# KiCad board eurovISOn REV.kicad_pcb
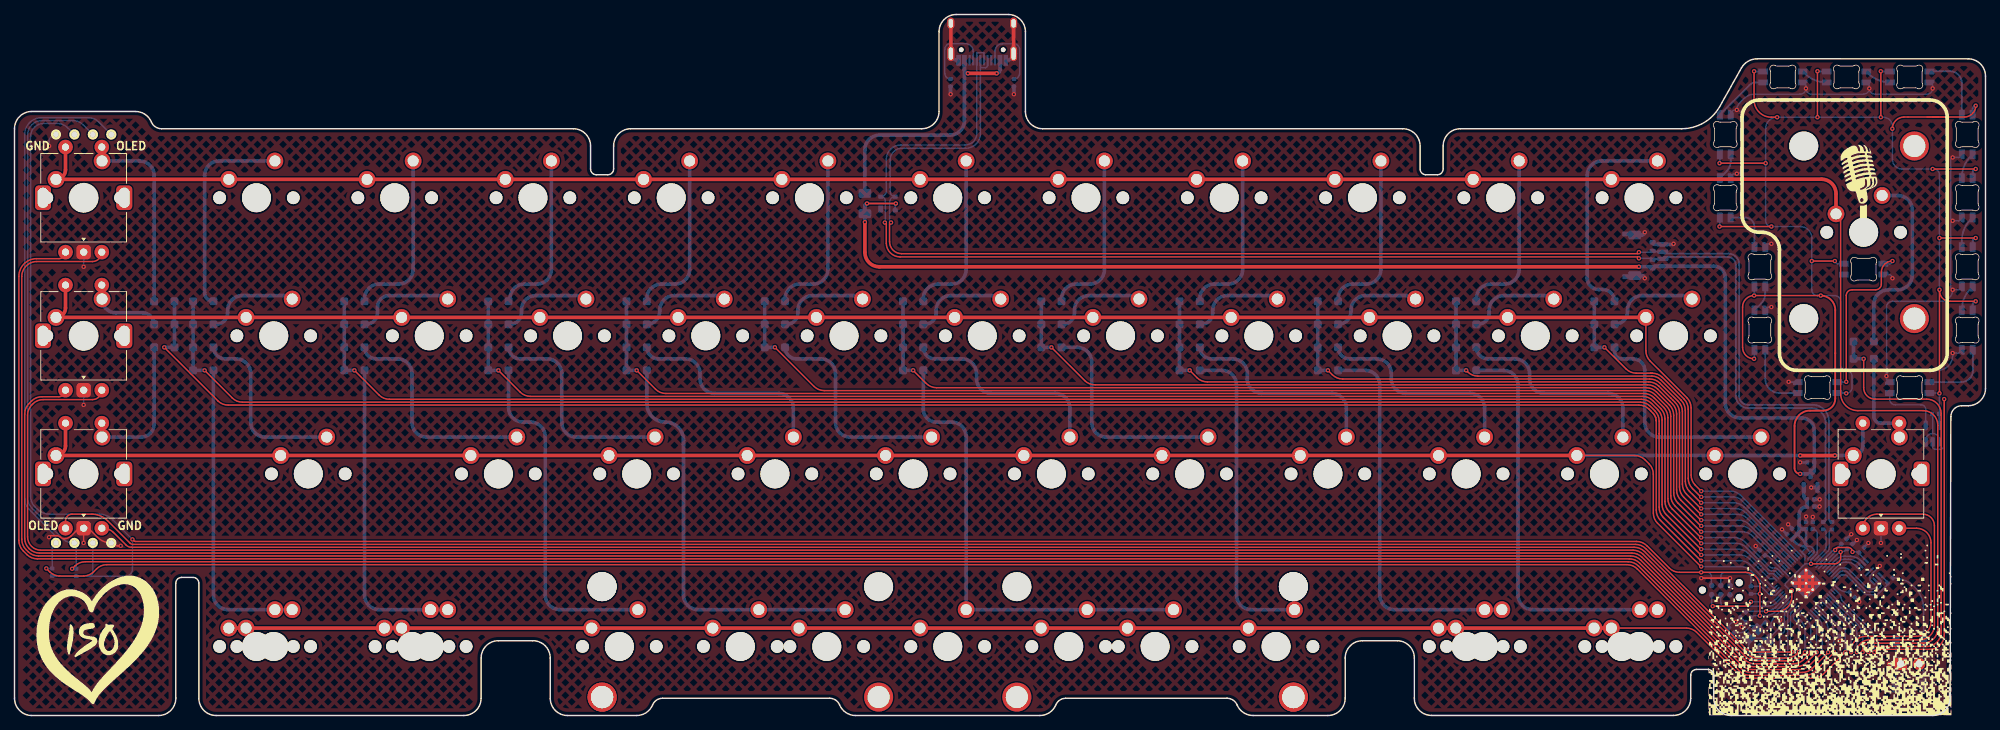
[diagram p0: board, top side]
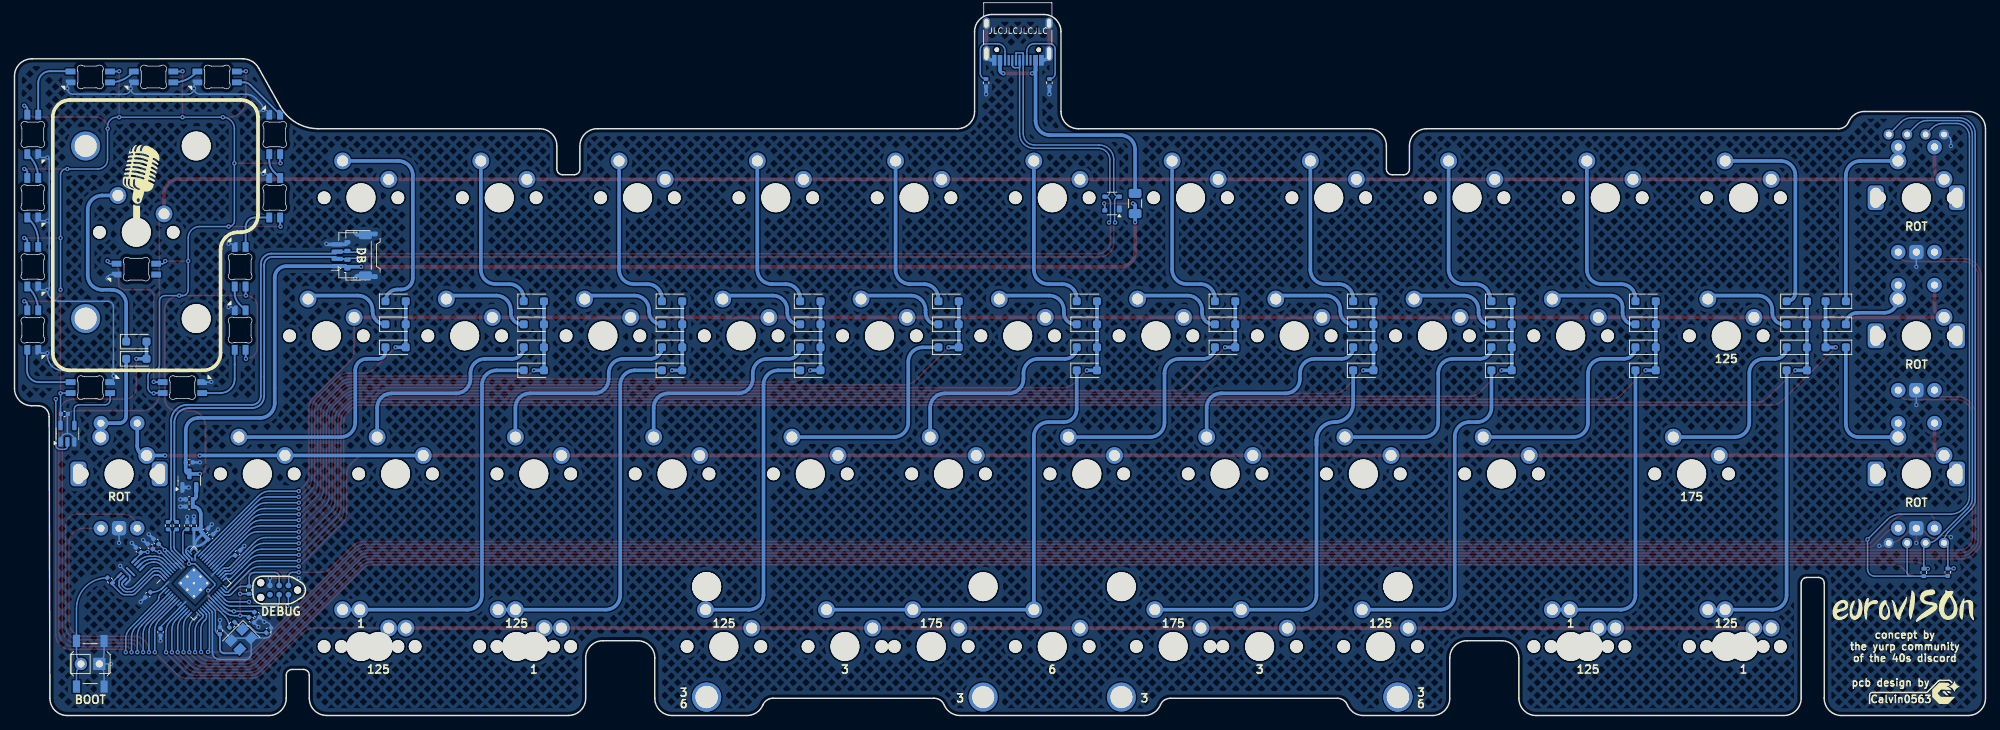
[diagram p1: board, bottom side, seen from below]

Outline 271.58 x 96.72 mm; copper layers: Top, Bottom. Coordinates in mm from the lower left corner of the outline.
Outline path: 0,80.96 0,2.38 arc(0.7,0.7) 2.38,0 19.84,0 arc(21.53,0.7) 22.22,2.38 22.22,18.26 arc(22.46,18.82) 23.02,19.05 24.61,19.05 arc(25.17,18.82) 25.4,18.26 25.4,2.38 arc(26.1,0.7) 27.78,0 61.91,0 arc(63.6,0.7) 64.29,2.38 64.29,7.94 arc(64.99,9.62) 66.67,10.32 71.44,10.32 arc(73.12,9.62) 73.82,7.94 73.82,2.38 arc(74.52,0.7) 76.2,0 85.72,0 arc(87.04,0.4) 87.92,1.46 arc(88.47,2.13) 89.3,2.38 112.31,2.38 arc(113.14,2.13) 113.69,1.46 arc(114.57,0.4) 115.89,0 141.29,0 arc(142.61,0.4) 143.48,1.46 arc(144.04,2.13) 144.87,2.38 167.08,2.38 arc(167.91,2.13) 168.46,1.46 arc(169.34,0.4) 170.66,0 180.98,0 arc(182.66,0.7) 183.36,2.38 183.36,7.94 arc(184.05,9.62) 185.74,10.32 190.5,10.32 arc(192.18,9.62) 192.88,7.94 192.88,2.38 arc(193.58,0.7) 195.26,0.01 228.58,0.01 arc(230.27,0.7) 230.97,2.39 230.97,5.56 arc(231.2,6.12) 231.76,6.36 233.35,6.36 arc(233.91,6.12) 234.14,5.56 234.14,2.39 arc(234.84,0.7) 236.55,0 264.32,0 arc(266,0.7) 266.71,2.38 266.81,41.25 arc(267.25,42.31) 268.31,42.74 269.2,42.74 arc(270.88,43.44) 271.58,45.12 271.58,88.22 arc(270.88,89.91) 269.2,90.61 240.12,90.61 arc(238.86,90.27) 237.94,89.33 234.97,84.03 arc(232.76,81.79) 229.73,80.96 199.23,80.96 arc(197.55,80.27) 196.85,78.58 196.85,75.41 arc(196.62,74.84) 196.06,74.61 194.47,74.61 arc(193.91,74.84) 193.68,75.41 193.68,78.58 arc(192.98,80.27) 191.29,80.96 141.68,80.96 arc(139.99,81.66) 139.29,83.35 139.29,94.34 arc(138.6,96.03) 136.91,96.72 129.77,96.72 arc(128.09,96.03) 127.39,94.34 127.39,83.34 arc(126.69,81.66) 125.01,80.96 84.93,80.96 arc(83.25,80.27) 82.55,78.58 82.55,75.41 arc(82.32,74.84) 81.76,74.61 80.17,74.61 arc(79.61,74.84) 79.38,75.41 79.38,78.58 arc(78.68,80.27) 76.99,80.96 20.25,80.96 arc(19.42,81.21) 18.86,81.88 arc(17.99,82.95) 16.67,83.34 2.38,83.34 arc(0.7,82.65) 0,80.96

## Placement (name value [footprint] x y rotation side)
C1  100nF  [C_0402_1005Metric]  264.69 41.61 0 bottom
C2  22pF  [C_0402_1005Metric]  243.28 11.7 270 bottom
C3  22pF  [C_0402_1005Metric]  236.56 11.77 315 bottom
C4  1uF  [C_0402_1005Metric]  247.78 26.19 90 bottom
C5  100nF  [C_0402_1005Metric]  252.87 23.32 45 bottom
C6  100nF  [C_0402_1005Metric]  238.18 13.91 225 bottom
C7  10uF  [C_0402_1005Metric]  247.49 29.83 0 bottom
C8  1uF  [C_0402_1005Metric]  246.86 26.19 90 bottom
C9  100nF  [C_0402_1005Metric]  245.28 25.43 135 bottom
C10  100nF  [C_0402_1005Metric]  244.57 24.67 135 bottom
C11  100nF  [C_0402_1005Metric]  251.46 11.51 270 bottom
C12  100nF  [C_0402_1005Metric]  240.84 22.44 135 bottom
C13  100nF  [C_0402_1005Metric]  253.21 16.67 315 bottom
C14  100nF  [C_0402_1005Metric]  238.92 13.2 225 bottom
C15  100nF  [C_0402_1005Metric]  252.07 24.01 45 bottom
C16  1uF  [C_0402_1005Metric]  247.51 34.92 0 bottom
C17  1uF  [C_0402_1005Metric]  247.49 28.83 180 bottom
C18  100n  [C_0402_1005Metric]  254.51 22.83 45 bottom
D1  D_Small  [D_SOD-123F]  20.64 57.15 0 bottom
D2  D_Small  [D_SOD-123F]  26.01 57.15 180 bottom
D3  D_Small  [D_SOD-123F]  46.83 57.15 180 bottom
D4  D_Small  [D_SOD-123F]  66.67 57.15 180 bottom
D5  D_Small  [D_SOD-123F]  85.72 57.15 180 bottom
D6  D_Small  [D_SOD-123F]  104.77 57.15 180 bottom
D7  D_Small  [D_SOD-123F]  123.83 57.15 180 bottom
D8  D_Small  [D_SOD-123F]  142.88 57.15 180 bottom
D9  D_Small  [D_SOD-123F]  161.93 57.15 180 bottom
D10  D_Small  [D_SOD-123F]  180.98 57.15 180 bottom
D11  D_Small  [D_SOD-123F]  200.03 57.15 180 bottom
D12  D_Small  [D_SOD-123F]  219.08 57.15 180 bottom
D13  D_Small  [D_SOD-123F]  254.79 51.6 180 bottom
D14  D_Small  [D_SOD-123F]  20.64 53.98 0 bottom
D15  D_Small  [D_SOD-123F]  26.01 53.98 180 bottom
D16  D_Small  [D_SOD-123F]  46.83 53.98 180 bottom
D17  D_Small  [D_SOD-123F]  66.67 53.98 180 bottom
D18  D_Small  [D_SOD-123F]  85.72 53.98 180 bottom
D19  D_Small  [D_SOD-123F]  104.77 53.98 180 bottom
D20  D_Small  [D_SOD-123F]  123.83 53.98 180 bottom
D21  D_Small  [D_SOD-123F]  142.88 53.98 180 bottom
D22  D_Small  [D_SOD-123F]  161.93 53.98 180 bottom
D23  D_Small  [D_SOD-123F]  180.98 53.98 180 bottom
D24  D_Small  [D_SOD-123F]  200.03 53.98 180 bottom
D25  D_Small  [D_SOD-123F]  219.08 53.98 180 bottom
D26  D_Small  [D_SOD-123F]  20.64 50.8 0 bottom
D27  D_Small  [D_SOD-123F]  26.01 50.8 180 bottom
D28  D_Small  [D_SOD-123F]  46.83 50.8 180 bottom
D29  D_Small  [D_SOD-123F]  66.67 50.8 180 bottom
D30  D_Small  [D_SOD-123F]  85.72 50.8 180 bottom
D31  D_Small  [D_SOD-123F]  104.77 50.8 180 bottom
D32  D_Small  [D_SOD-123F]  123.83 50.8 180 bottom
D33  D_Small  [D_SOD-123F]  142.88 50.8 180 bottom
D34  D_Small  [D_SOD-123F]  161.93 50.8 180 bottom
D35  D_Small  [D_SOD-123F]  180.98 50.8 180 bottom
D36  D_Small  [D_SOD-123F]  200.03 50.8 180 bottom
D37  D_Small  [D_SOD-123F]  219.08 50.8 180 bottom
D38  D_Small  [D_SOD-123F]  254.79 49.22 180 bottom
D39  D_Small  [D_SOD-123F]  26.01 47.62 180 bottom
D40  D_Small  [D_SOD-123F]  46.83 47.62 180 bottom
D41  D_Small  [D_SOD-123F]  66.67 47.62 180 bottom
D42  D_Small  [D_SOD-123F]  85.72 47.62 180 bottom
D43  D_Small  [D_SOD-123F]  123.83 47.62 180 bottom
D44  D_Small  [D_SOD-123F]  161.93 47.62 180 bottom
D45  D_Small  [D_SOD-123F]  180.98 47.62 180 bottom
D46  D_Small  [D_SOD-123F]  200.03 47.62 180 bottom
F1  500mA  [Fuse_1206_3216Metric]  117.17 70.65 270 bottom
G***  -  [LOGO]  254.15 74.61 0 top
G***#2  -  [LOGO]  250.15 22.55 90 top
G***#3  -  [LOGO]  11.11 10.32 0 top
G***#4  -  [LOGO]  11.46 10.3 0 top
G***#5  -  [LOGO]  5.64 3.17 180 bottom
G***#6  -  [LOGO]  11.11 15.08 180 bottom
G***#7  -  [LOGO]  254.15 74.61 180 bottom
IC1  W25Q16JVUXIQ  [SON50P300X200X60-9N]  255.59 19.84 135 bottom
J1  USB_C_Receptacle_USB2.0  [USB_C_Receptacle_HRO_TYPE-C-31-M-12]  133.34 94.46 0 bottom
J2  JST SH  [JST_SH_SM04B-SRSS-TB_1x04-1MP_P1.00mm_Horizontal]  225.11 63.5 90 bottom
J3  Pico EZmate  [Molex_Pico-EZmate_78171-0004_1x04-1MP_P1.20mm_Vertical]  223.84 63.5 90 bottom
J5  TC2030_SWD  [CON_TC2030_outlined]  235.11 17.3 0 bottom  (not fitted)
LED1  SK6812MINI-E  [LED_6028R]  261.13 45.25 0 bottom
LED2  SK6812MINI-E  [LED_6028R]  269.06 53.18 90 bottom
LED3  SK6812MINI-E  [LED_6028R]  269.06 61.92 90 bottom
LED4  SK6812MINI-E  [LED_6028R]  261.14 88.11 180 bottom
LED5  SK6812MINI-E  [LED_6028R]  252.43 88.11 180 bottom
LED6  SK6812MINI-E  [LED_6028R]  235.73 80.17 270 bottom
LED7  SK6812MINI-E  [LED_6028R]  235.73 71.44 270 bottom
LED8  SK6812MINI-E  [LED_6028R]  240.49 61.92 270 bottom
LED9  SK6812MINI-E  [LED_6028R]  248.44 45.25 0 bottom
LED10  MX_SK6812MINI-E  [LED_MX_6028R]  254.79 61.59 180 bottom
LED11  SK6812MINI-E  [LED_6028R]  269.06 71.44 90 bottom
LED12  SK6812MINI-E  [LED_6028R]  269.06 80.17 90 bottom
LED13  SK6812MINI-E  [LED_6028R]  240.49 53.18 270 bottom
LED14  SK6812MINI-E  [LED_6028R]  243.67 88.11 180 bottom
MX1  MX_SW_HS  [SW_MX_1u]  9.53 71.44 0 top
MX2  MX_SW_HS  [SW_MX_1u]  33.34 71.44 0 top
MX3  MX_SW_HS  [SW_MX_1u]  52.39 71.44 0 top
MX4  MX_SW_HS  [SW_MX_1u]  71.44 71.44 0 top
MX5  MX_SW_HS  [SW_MX_1u]  90.49 71.44 0 top
MX6  MX_SW_HS  [SW_MX_1u]  109.54 71.44 0 top
MX7  MX_SW_HS  [SW_MX_1u]  128.59 71.44 0 top
MX8  MX_SW_HS  [SW_MX_1u]  147.64 71.44 0 top
MX9  MX_SW_HS  [SW_MX_1u]  166.69 71.44 0 top
MX10  MX_SW_HS  [SW_MX_1u]  185.74 71.44 0 top
MX11  MX_SW_HS  [SW_MX_1u]  204.79 71.44 0 top
MX12  MX_SW_HS  [SW_MX_1u]  223.84 71.44 0 top
MX13  MX_SW_HS  [SW_MX_1u]  254.79 66.67 0 top
MX14  MX_SW_HS  [SW_MX_1u]  9.53 52.39 0 top
MX15  MX_SW_HS  [SW_MX_1.25u]  35.72 52.39 0 top
MX16  MX_SW_HS  [SW_MX_1u]  57.15 52.39 0 top
MX17  MX_SW_HS  [SW_MX_1u]  76.2 52.39 0 top
MX18  MX_SW_HS  [SW_MX_1u]  95.25 52.39 0 top
MX19  MX_SW_HS  [SW_MX_1u]  114.3 52.39 0 top
MX20  MX_SW_HS  [SW_MX_1u]  133.35 52.39 0 top
MX21  MX_SW_HS  [SW_MX_1u]  152.4 52.39 0 top
MX22  MX_SW_HS  [SW_MX_1u]  171.45 52.39 0 top
MX23  MX_SW_HS  [SW_MX_1u]  190.5 52.39 0 top
MX24  MX_SW_HS  [SW_MX_1u]  209.55 52.39 0 top
MX25  MX_SW_HS  [SW_MX_1u]  228.6 52.39 0 top
MX26  MX_SW_HS  [SW_MX_1u]  9.53 33.34 0 top
MX27  MX_SW_HS  [SW_MX_1.75u]  40.48 33.34 0 top
MX28  MX_SW_HS  [SW_MX_1u]  66.67 33.34 0 top
MX29  MX_SW_HS  [SW_MX_1u]  85.72 33.34 0 top
MX30  MX_SW_HS  [SW_MX_1u]  104.77 33.34 0 top
MX31  MX_SW_HS  [SW_MX_1u]  123.83 33.34 0 top
MX32  MX_SW_HS  [SW_MX_1u]  142.88 33.34 0 top
MX33  MX_SW_HS  [SW_MX_1u]  161.93 33.34 0 top
MX34  MX_SW_HS  [SW_MX_1u]  180.98 33.34 0 top
MX35  MX_SW_HS  [SW_MX_1u]  200.03 33.34 0 top
MX36  MX_SW_HS  [SW_MX_1u]  219.08 33.34 0 top
MX37  MX_SW_HS  [SW_MX_1u]  238.12 33.34 0 top
MX38  MX_SW_HS  [SW_MX_1u]  257.18 33.34 0 top
MX39  MX_SW_HS  [SW_MX_1.25u]  35.72 9.53 0 top
MX40  MX_SW_HS  [SW_MX_1u]  57.15 9.53 0 top
MX41  MX_SW_HS  [SW_MX_1.25u]  83.34 9.53 0 top
MX42  MX_SW_HS  [SW_MX_1.75u]  111.92 9.53 0 top
MX43  MX_SW_HS  [SW_MX_1.75u]  145.26 9.53 0 top
MX44  MX_SW_HS  [SW_MX_1.25u]  173.83 9.53 0 top
MX45  MX_SW_HS  [SW_MX_1.25u]  202.41 9.53 0 top
MX46  MX_SW_HS  [SW_MX_1u]  223.84 9.53 0 top
MX47  MX_SW_HS  [SW_MX_1u]  33.34 9.53 0 top
MX48  MX_SW_HS  [SW_MX_1.25u]  54.77 9.53 0 top
MX49  MX_SW_HS  [SW_MX_1u]  100.01 9.53 0 top
MX50  MX_SW_HS  [SW_MX_1u]  128.59 9.53 0 top
MX51  MX_SW_HS  [SW_MX_1u]  200.03 9.53 0 top
MX52  MX_SW_HS  [SW_MX_1.25u]  221.46 9.53 0 top
MX53  MX_SW_HS  [SW_MX_1u]  157.16 9.53 0 top
OL1  OLED  [OLED_v2]  9.53 80.17 180 top
OL2  OLED  [OLED_v2]  9.53 23.81 0 top
R1  1k  [R_0402_1005Metric]  239.26 17.3 90 bottom
R2  5k1  [R_0402_1005Metric]  128.98 87.31 270 bottom
R3  5k1  [R_0402_1005Metric]  137.71 87.31 270 bottom
R4  27R  [R_0402_1005Metric]  250.43 26.19 270 bottom
R5  27R  [R_0402_1005Metric]  249.24 26.19 270 bottom
R6  1k  [R_0402_1005Metric]  241.62 12.52 315 bottom
R8  4.7k  [R_0402_1005Metric]  5.19 19.77 270 bottom
R9  1k  [R_0402_1005Metric]  258.44 18.63 45 bottom
R10  4.7k  [R_0402_1005Metric]  8.5 19.73 270 bottom
S1  MX_stab  [STAB_MX_P_ISO-ROT]  254.79 66.67 0 top
S2  MX_stab  [STAB_MX_P_3u]  100.01 9.53 180 top
S3  MX_stab  [STAB_MX_P_3u]  157.16 9.53 180 top
S4  MX_stab  [STAB_MX_P_6u]  128.59 9.53 180 top
SW1  boot  [SW_SPST_TL3342]  261.14 7.14 270 bottom
SW2  SW_Push  [PinSocket_1x02_P2.54mm_Vertical]  259.89 7.12 270 bottom
SW3  RotaryEncoder_Switch  [ROT_Alps_EC11E-Switch]  9.53 71.44 0 top
SW4  RotaryEncoder_Switch  [ROT_Alps_EC11E-Switch]  9.53 52.39 0 top
SW5  RotaryEncoder_Switch  [ROT_Alps_EC11E-Switch]  257.18 33.34 0 top
SW6  RotaryEncoder_Switch  [ROT_Alps_EC11E-Switch]  9.53 33.34 0 top
U1  74AHCT1G125  [TSOT-23-5]  264.29 38.88 90 bottom
U3  RP2040  [RP2040-QFN-56]  246.86 18.26 135 bottom
U4  XC6206PxxxMR-Regulator_Linear  [SOT-23]  247.49 32.4 90 bottom
U5  PRTR5V0U2X  [SOT-143]  120.35 70.65 0 bottom
Y1  12MHz  [Crystal_SMD_3225-4Pin_3.2x2.5mm]  240.35 10.52 315 bottom

## Library data of the parts
C1 = -: ki_fp_filters: C_*
C2 C3 = -: LCSC: C1555; ki_fp_filters: C_*
C4 C8 C16 C17 = -: LCSC: C52923; ki_fp_filters: C_*
C5 C6 C9-C15 C18 = -: LCSC: C1525; ki_fp_filters: C_*
C7 = -: LCSC: C15525; ki_fp_filters: C_*
D1-D46 = -: Description: Diode, small symbol; Sim.Device: D; Sim.Pins: 1=K 2=A; ki_fp_filters: TO-???* *_Diode_* *SingleDiode* D_*
F1 = -: LCSC: C70076; ki_fp_filters: *polyfuse* *PTC*
IC1 = -: Datasheet: https://datasheet.lcsc.com/lcsc/2205122030_Winbond-Elec-W25Q16JVUXIQ_C2843335.pdf; MANUFACTURER_NAME: Winbond; HEIGHT: 0.6mm; DESCRIPTION: SPIFLASH, 3V, 16M-BIT, 4KB UNIFO; LCSC Part: C2843335; LCSC: C2843335
J1 = -: Datasheet: https://www.usb.org/sites/default/files/documents/usb_type-c.zip; LCSC: C165948; ki_fp_filters: USB*C*Receptacle*
J2 J3 = -: ki_fp_filters: Connector*:*_1x??-1MP*
J5 = -: ki_fp_filters: IDC?Header*2x03* Pin?Header*2x03*
LED1 = -: Description: Reverse mount adressable LED (WS2812 protocol); LCSC: C5149201
LED2-LED14 = -: Description: Reverse mount adressable LED (WS2812 protocol)
MX1-MX53 = -: Description: Push button switch, normally open, two pins, 45° tilted, Kailh CPG151101S11 for Cherry MX style switches
R1 R6 = -: LCSC: C11702; ki_fp_filters: R_*
R2 R3 = -: LCSC: C25905; ki_fp_filters: R_*
R4 R5 = -: LCSC: C25190; ki_fp_filters: R_*
R8 R10 = -: LCSC: C25900; Package: 0402; ki_fp_filters: R_*
R9 = -: Datasheet: https://datasheet.lcsc.com/lcsc/2205311845_UNI-ROYAL-Uniroyal-Elec-0402WGJ0102TCE_C25543.pdf; LCSC Part: C25543; LCSC: C25543; ki_fp_filters: R_*
S1-S4 = -: Description: Cherry MX-style stabilizer
SW1 = -: Datasheet: https://datasheet.lcsc.com/lcsc/1811051111_ALPSALPINE-SKQGABE010_C115351.pdf; LCSC Part: C115351; LCSC: C115351
SW3-SW6 = -: ki_fp_filters: RotaryEncoder*Switch*
U1 = -: Datasheet: http://www.ti.com/lit/sg/scyt129e/scyt129e.pdf; ki_fp_filters: SOT* SG-*
U3 = -: Datasheet: https://datasheets.raspberrypi.com/rp2040/rp2040-datasheet.pdf; LCSC: C2040
U4 = -: Datasheet: https://www.torexsemi.com/file/xc6206/XC6206.pdf; LCSC: C5446; ki_fp_filters: SOT?23*
U5 = -: Datasheet: https://assets.nexperia.com/documents/data-sheet/PRTR5V0U2X.pdf; LCSC: C2827688; JlcRotOffset: 90; ki_fp_filters: SOT?143*
Y1 = -: LCSC: C9002; ki_fp_filters: Crystal*

## Footprints (pads in the part's own frame, mm; a bottom-side part is the same pattern mirrored in y, then rotated)
C_0402_1005Metric
  rrect 0.56x0.62 smd: 1(-0.48,0) 2(0.48,0)
CON_TC2030_outlined
  round 0.991 hole 0.991 unplated: (-2.54,0) (2.54,-1.016) (2.54,1.016)
  round 0.787 smd: 1(-1.27,-0.635) 2(-1.27,0.635) 3(0,-0.635) 4(0,0.635) 5(1.27,-0.635) 6(1.27,0.635)
Crystal_SMD_3225-4Pin_3.2x2.5mm
  rect 1.4x1.2 smd: 1(-1.1,-0.85) 2(1.1,-0.85) 3(1.1,0.85) 4(-1.1,0.85)
D_SOD-123F
  rrect 1.1x1.1 smd: 1(-1.4,0) 2(1.4,0)
Fuse_1206_3216Metric
  rrect 1.25x1.75 smd: 1(-1.4,0) 2(1.4,0)
JST_SH_SM04B-SRSS-TB_1x04-1MP_P1.00mm_Horizontal
  rrect 0.6x1.55 smd: 1(-1.5,2) 2(-0.5,2) 3(0.5,2) 4(1.5,2)
  rrect 1.2x1.8 smd: MP(-2.8,-1.875) MP(2.8,-1.875)
LED_6028R
  rrect 1.35x0.82 smd: 1(2.725,0.75) 2(2.725,-0.75) 3(-2.725,0.75) 4(-2.725,-0.75)
LED_MX_6028R
  rrect 1.35x0.82 smd: 1(2.725,0.75) 2(2.725,-0.75) 3(-2.725,0.75) 4(-2.725,-0.75)
Molex_Pico-EZmate_78171-0004_1x04-1MP_P1.20mm_Vertical
  rrect 0.6x0.85 smd: 1(-1.8,1.875) 2(-0.6,1.875) 3(0.6,1.875) 4(1.8,1.875)
  rrect 0.7x0.8 smd: MP(-2.95,-1.9) MP(2.95,-1.9)
OLED_v2
  round 1.397 hole 0.813: 1(-3.81,0) 2(-1.27,0) 3(1.27,0) 4(3.81,0)
PinSocket_1x02_P2.54mm_Vertical
  rect 1.7x1.7 hole 1: 1(0,0)
  oval 1.7x1.7 hole 1: 2(0,-2.54)
R_0402_1005Metric
  rrect 0.54x0.64 smd: 1(-0.51,0) 2(0.51,0)
ROT_Alps_EC11E-Switch
  round 2 hole 1: A(-2.5,-7.5) B(2.5,-7.5) S1(2.5,7) S2(-2.5,7)
  rrect 2x2 hole 1: C(0,-7.5)
  rrect 2.2x3.4 hole 1.5x2.8: MP(-5.6,0) MP(5.6,0)
RP2040-QFN-56
  rrect 1.084x1.084 smd: (-0.637,-0.637) (-0.637,0.637) (0.637,-0.637) (0.637,0.637)
  rrect 0.875x0.2 smd: 1(-3.438,2.6) 2(-3.438,2.2) 3(-3.438,1.8) 4(-3.438,1.4) 5(-3.438,1) 6(-3.438,0.6) 7(-3.438,0.2) 8(-3.438,-0.2) 9(-3.438,-0.6) 10(-3.438,-1) 11(-3.438,-1.4) 12(-3.438,-1.8) 13(-3.438,-2.2) 14(-3.438,-2.6) 29(3.438,-2.6) 30(3.438,-2.2) 31(3.438,-1.8) 32(3.438,-1.4) 33(3.438,-1) 34(3.438,-0.6) 35(3.438,-0.2) 36(3.438,0.2) 37(3.438,0.6) 38(3.438,1) 39(3.438,1.4) 40(3.438,1.8) 41(3.438,2.2) 42(3.438,2.6)
  rrect 0.2x0.875 smd: 15(-2.6,-3.438) 16(-2.2,-3.438) 17(-1.8,-3.438) 18(-1.4,-3.438) 19(-1,-3.438) 20(-0.6,-3.438) 21(-0.2,-3.438) 22(0.2,-3.438) 23(0.6,-3.438) 24(1,-3.438) 25(1.4,-3.438) 26(1.8,-3.438) 27(2.2,-3.438) 28(2.6,-3.438) 43(2.6,3.438) 44(2.2,3.438) 45(1.8,3.438) 46(1.4,3.438) 47(1,3.438) 48(0.6,3.438) 49(0.2,3.438) 50(-0.2,3.438) 51(-0.6,3.438) 52(-1,3.438) 53(-1.4,3.438) 54(-1.8,3.438) 55(-2.2,3.438) 56(-2.6,3.438)
  round 0.6 hole 0.35: 57(-1.275,-1.275) 57(-1.275,0) 57(-1.275,1.275) 57(0,-1.275) 57(0,0) 57(0,1.275) 57(1.275,-1.275) 57(1.275,0) 57(1.275,1.275)
  rrect 3.2x3.2 smd: 57(0,0)
SON50P300X200X60-9N
  rect 0.9x0.3 smd: 1(-1.4,0.75) 2(-1.4,0.25) 3(-1.4,-0.25) 4(-1.4,-0.75) 5(1.4,-0.75) 6(1.4,-0.25) 7(1.4,0.25) 8(1.4,0.75)
  rect 0.25x1.65 smd: 9(0,0)
SOT-23
  rrect 1.475x0.6 smd: 1(-0.938,0.95) 2(-0.938,-0.95) 3(0.938,0)
SOT-143
  rrect 0.7x1 smd: 1(-1,0.75)
  rrect 0.7x0.6 smd: 2(-1,-0.95) 3(1,-0.95) 4(1,0.95)
STAB_MX_P_3u
  round 4 hole 3.048: (-19.05,6.985) (19.05,6.985)
  round 3.988 hole 3.988 unplated: (-19.05,-8.255) (19.05,-8.255)
STAB_MX_P_6u
  round 4 hole 3.048: (-47.625,6.985) (47.625,6.985)
  round 3.988 hole 3.988 unplated: (-47.625,-8.255) (47.625,-8.255)
STAB_MX_P_ISO-ROT
  round 3.988 hole 3.988 unplated: (-8.255,11.906) (-8.255,-11.906)
  round 4 hole 3.048: (6.985,11.906) (6.985,-11.906)
SW_MX_1.25u
  round 1.75 hole 1.75 unplated: (-5.08,0) (5.08,0)
  round 3.988 hole 3.988 unplated: (0,0)
  round 2.3 hole 1.524: 1(-3.81,2.54) 2(2.54,5.08)
SW_MX_1.75u
  round 1.75 hole 1.75 unplated: (-5.08,0) (5.08,0)
  round 3.988 hole 3.988 unplated: (0,0)
  round 2.3 hole 1.524: 1(-3.81,2.54) 2(2.54,5.08)
SW_MX_1u
  round 1.75 hole 1.75 unplated: (-5.08,0) (5.08,0)
  round 3.988 hole 3.988 unplated: (0,0)
  round 2.3 hole 1.524: 1(-3.81,2.54) 2(2.54,5.08)
SW_SPST_TL3342
  rect 1.7x1 smd: 1(-3.15,1.9) 1(3.15,1.9) 2(-3.15,-1.9) 2(3.15,-1.9)
TSOT-23-5
  rrect 1.325x0.6 smd: 1(-1.137,0.95) 2(-1.137,0) 3(-1.137,-0.95) 4(1.137,-0.95) 5(1.137,0.95)
USB_C_Receptacle_HRO_TYPE-C-31-M-12
  round 0.65 hole 0.65 unplated: (-2.89,2.6) (2.89,2.6)
  rect 0.6x1.45 smd: A1(-3.25,4.045) A4(-2.45,4.045) A9(2.45,4.045) A12(3.25,4.045) B1(3.25,4.045) B4(2.45,4.045) B9(-2.45,4.045) B12(-3.25,4.045)
  rect 0.3x1.45 smd: A5(-1.25,4.045) A6(-0.25,4.045) A7(0.25,4.045) A8(1.25,4.045) B5(1.75,4.045) B6(0.75,4.045) B7(-0.75,4.045) B8(-1.75,4.045)
  oval 1x1.6 hole 0.6x1.2: S1(-4.32,-1.05) S1(4.32,-1.05)
  oval 1x2.1 hole 0.6x1.7: S1(-4.32,3.13) S1(4.32,3.13)

## Nets
+1V1: C4.1 C5.1 C6.1 U3.23 U3.45 U3.50
+3V3: C7.1 C8.1 C9.1 C10.1 C11.1 C12.1 C13.1 C14.1 C15.1 C17.2 C18.1 IC1.8 J5.1 OL1.3 OL2.3 R1.1 R8.2 R10.2 U3.1 U3.10 U3.22 U3.33 U3.42 U3.43 U3.44 U3.48 U3.49 U4.2
+5V: C1.2 C16.2 F1.2 J2.1 J3.1 LED1.1 LED2.1 LED3.1 LED4.1 LED5.1 LED6.1 LED7.1 LED8.1 LED9.1 LED10.1 LED11.1 LED12.1 LED13.1 LED14.1 U1.5 U4.3 U5.4
GND: C1.1 C2.1 C3.1 C4.2 C5.2 C6.2 C7.2 C8.2 C9.2 C10.2 C11.2 C12.2 C13.2 C14.2 C15.2 C16.1 C17.1 C18.2 IC1.4 J1.A1 J1.A12 J1.B1 J1.B12 J1.S1 J2.4 J2.MP J3.4 J3.MP J5.5 LED1.4 LED2.4 LED3.4 LED4.4 LED5.4 LED6.4 LED7.4 LED8.4 LED9.4 LED10.4 LED11.4 LED12.4 LED13.4 LED14.4 OL1.4 OL2.4 R2.2 R3.2 SW1.1 SW2.1 SW3.C SW4.C SW5.C SW6.C U1.1 U1.3 U3.19 U3.57 U4.1 U5.1 Y1.2 Y1.4
VBUS: F1.1 J1.A4 J1.A9 J1.B4 J1.B9
/CC1: J1.A5 R2.1
/CC2: J1.B5 R3.1
/D_+: R4.2 U3.47
/D_-: R5.2 U3.46
/GPIO1: U3.3
/GPIO7: U3.9
/XTAL_O: C3.2 R6.1 Y1.1
/~{USB_BOOT}: R9.2 SW1.2 SW2.2
COL0: D1.2 D14.2 D26.2 U3.28
COL1: D2.2 D15.2 D27.2 D39.2 U3.29
COL2: D3.2 D16.2 D28.2 D40.2 U3.30
COL3: D4.2 D17.2 D29.2 D41.2 U3.31
COL4: D5.2 D18.2 D30.2 D42.2 U3.32
COL5: D6.2 D19.2 D31.2 U3.34
COL6: D7.2 D20.2 D32.2 D43.2 U3.35
COL7: D8.2 D21.2 D33.2 U3.36
COL8: D9.2 D22.2 D34.2 D44.2 U3.37
COL9: D10.2 D23.2 D35.2 D45.2 U3.38
COL10: D11.2 D24.2 D36.2 D46.2 U3.39
COL11: D12.2 D25.2 D37.2 U3.40
COL12: D13.2 D38.2 U3.4
CS: IC1.1 R9.1 U3.56
D_N: J1.A7 J1.B7 J2.2 J3.2 R5.1 U5.2
D_P: J1.A6 J1.B6 J2.3 J3.3 R4.1 U5.3
indicators: LED1.3 U1.4
QSPI_CLK: IC1.6 U3.52
r1: D1.1 MX1.2 SW3.S1
r2: D14.1 MX14.2 SW4.S1
r3: D26.1 MX26.2 SW6.S1
r4: D38.1 MX38.2 SW5.S1
rA: SW3.A U3.13
rB: SW3.B U3.14
rC: SW4.A U3.15
rD: SW4.B U3.16
rE: SW6.A U3.18
rF: SW6.B U3.17
rG: SW5.A U3.6
RGB MCU: U1.2 U3.2
rH: SW5.B U3.7
ROW0: MX1.1 MX2.1 MX3.1 MX4.1 MX5.1 MX6.1 MX7.1 MX8.1 MX9.1 MX10.1 MX11.1 MX12.1 MX13.1 SW3.S2 U3.5
ROW1: MX14.1 MX15.1 MX16.1 MX17.1 MX18.1 MX19.1 MX20.1 MX21.1 MX22.1 MX23.1 MX24.1 MX25.1 SW4.S2 U3.41
ROW2: MX26.1 MX27.1 MX28.1 MX29.1 MX30.1 MX31.1 MX32.1 MX33.1 MX34.1 MX35.1 MX36.1 MX37.1 MX38.1 SW5.S2 SW6.S2 U3.27
ROW3: MX39.1 MX40.1 MX41.1 MX42.1 MX43.1 MX44.1 MX45.1 MX46.1 MX47.1 MX48.1 MX49.1 MX50.1 MX51.1 MX52.1 MX53.1 U3.8
SCL: OL1.2 OL2.2 R10.1 U3.12
SD0: IC1.5 U3.53
SD1: IC1.2 U3.55
SD2: IC1.3 U3.54
SD3: IC1.7 U3.51
SDA: OL1.1 OL2.1 R8.1 U3.11
SWCLK: J5.4 U3.24
SWD: J5.2 U3.25
XTAL_IN: C2.2 U3.20 Y1.3
XTAL_OUT: R6.2 U3.21
~{RESET}: J5.3 R1.2 U3.26
Net-(D2-K): D2.1 MX2.2
Net-(D3-K): D3.1 MX3.2
Net-(D4-K): D4.1 MX4.2
Net-(D5-K): D5.1 MX5.2
Net-(D6-K): D6.1 MX6.2
Net-(D7-K): D7.1 MX7.2
Net-(D8-K): D8.1 MX8.2
Net-(D9-K): D9.1 MX9.2
Net-(D10-K): D10.1 MX10.2
Net-(D11-K): D11.1 MX11.2
Net-(D12-K): D12.1 MX12.2
Net-(D13-K): D13.1 MX13.2
Net-(D15-K): D15.1 MX15.2
Net-(D16-K): D16.1 MX16.2
Net-(D17-K): D17.1 MX17.2
Net-(D18-K): D18.1 MX18.2
Net-(D19-K): D19.1 MX19.2
Net-(D20-K): D20.1 MX20.2
Net-(D21-K): D21.1 MX21.2
Net-(D22-K): D22.1 MX22.2
Net-(D23-K): D23.1 MX23.2
Net-(D24-K): D24.1 MX24.2
Net-(D25-K): D25.1 MX25.2
Net-(D27-K): D27.1 MX27.2
Net-(D28-K): D28.1 MX28.2
Net-(D29-K): D29.1 MX29.2
Net-(D30-K): D30.1 MX30.2
Net-(D31-K): D31.1 MX31.2
Net-(D32-K): D32.1 MX32.2
Net-(D33-K): D33.1 MX33.2
Net-(D34-K): D34.1 MX34.2
Net-(D35-K): D35.1 MX35.2
Net-(D36-K): D36.1 MX36.2
Net-(D37-K): D37.1 MX37.2
Net-(D39-K): D39.1 MX39.2 MX47.2
Net-(D40-K): D40.1 MX40.2 MX48.2
Net-(D41-K): D41.1 MX41.2
Net-(D42-K): D42.1 MX42.2 MX49.2
Net-(D43-K): D43.1 MX43.2 MX50.2 MX53.2
Net-(D44-K): D44.1 MX44.2
Net-(D45-K): D45.1 MX45.2 MX51.2
Net-(D46-K): D46.1 MX46.2 MX52.2
Net-(LED1-DOUT): LED1.2 LED2.3
Net-(LED2-DOUT): LED2.2 LED3.3
Net-(LED4-DOUT): LED4.2 LED5.3
Net-(LED6-DOUT): LED6.2 LED7.3
Net-(LED7-DOUT): LED7.2 LED8.3
Net-(LED10-DIN): LED9.2 LED10.3
Net-(LED11-DIN): LED3.2 LED11.3
Net-(LED11-DOUT): LED11.2 LED12.3
Net-(LED12-DOUT): LED4.3 LED12.2
Net-(LED13-DIN): LED8.2 LED13.3
Net-(LED13-DOUT): LED9.3 LED13.2
Net-(LED14-DIN): LED5.2 LED14.3
Net-(LED14-DOUT): LED6.3 LED14.2

Pads without a net: IC1 9; J1 A8 B8; J5 6; LED10 2; SW3 MP; SW4 MP; SW5 MP; SW6 MP

## Via types
v1: diameter 0.6, hole 0.3, Top to Bottom, 143 vias
